# Altium PCB OpenMV4_BASE.pcbdoc
Units mil, origin at the board's own origin, x right, y up, seen from the top; angles counter-clockwise.
Board outline 1400 x 1750 mil, 4 copper layers (Top Layer, GND, Mid-Layer 2, Bottom Layer), stack 30.578 mil thick; 60 components, 99 nets, 307 pads, 178 vias.
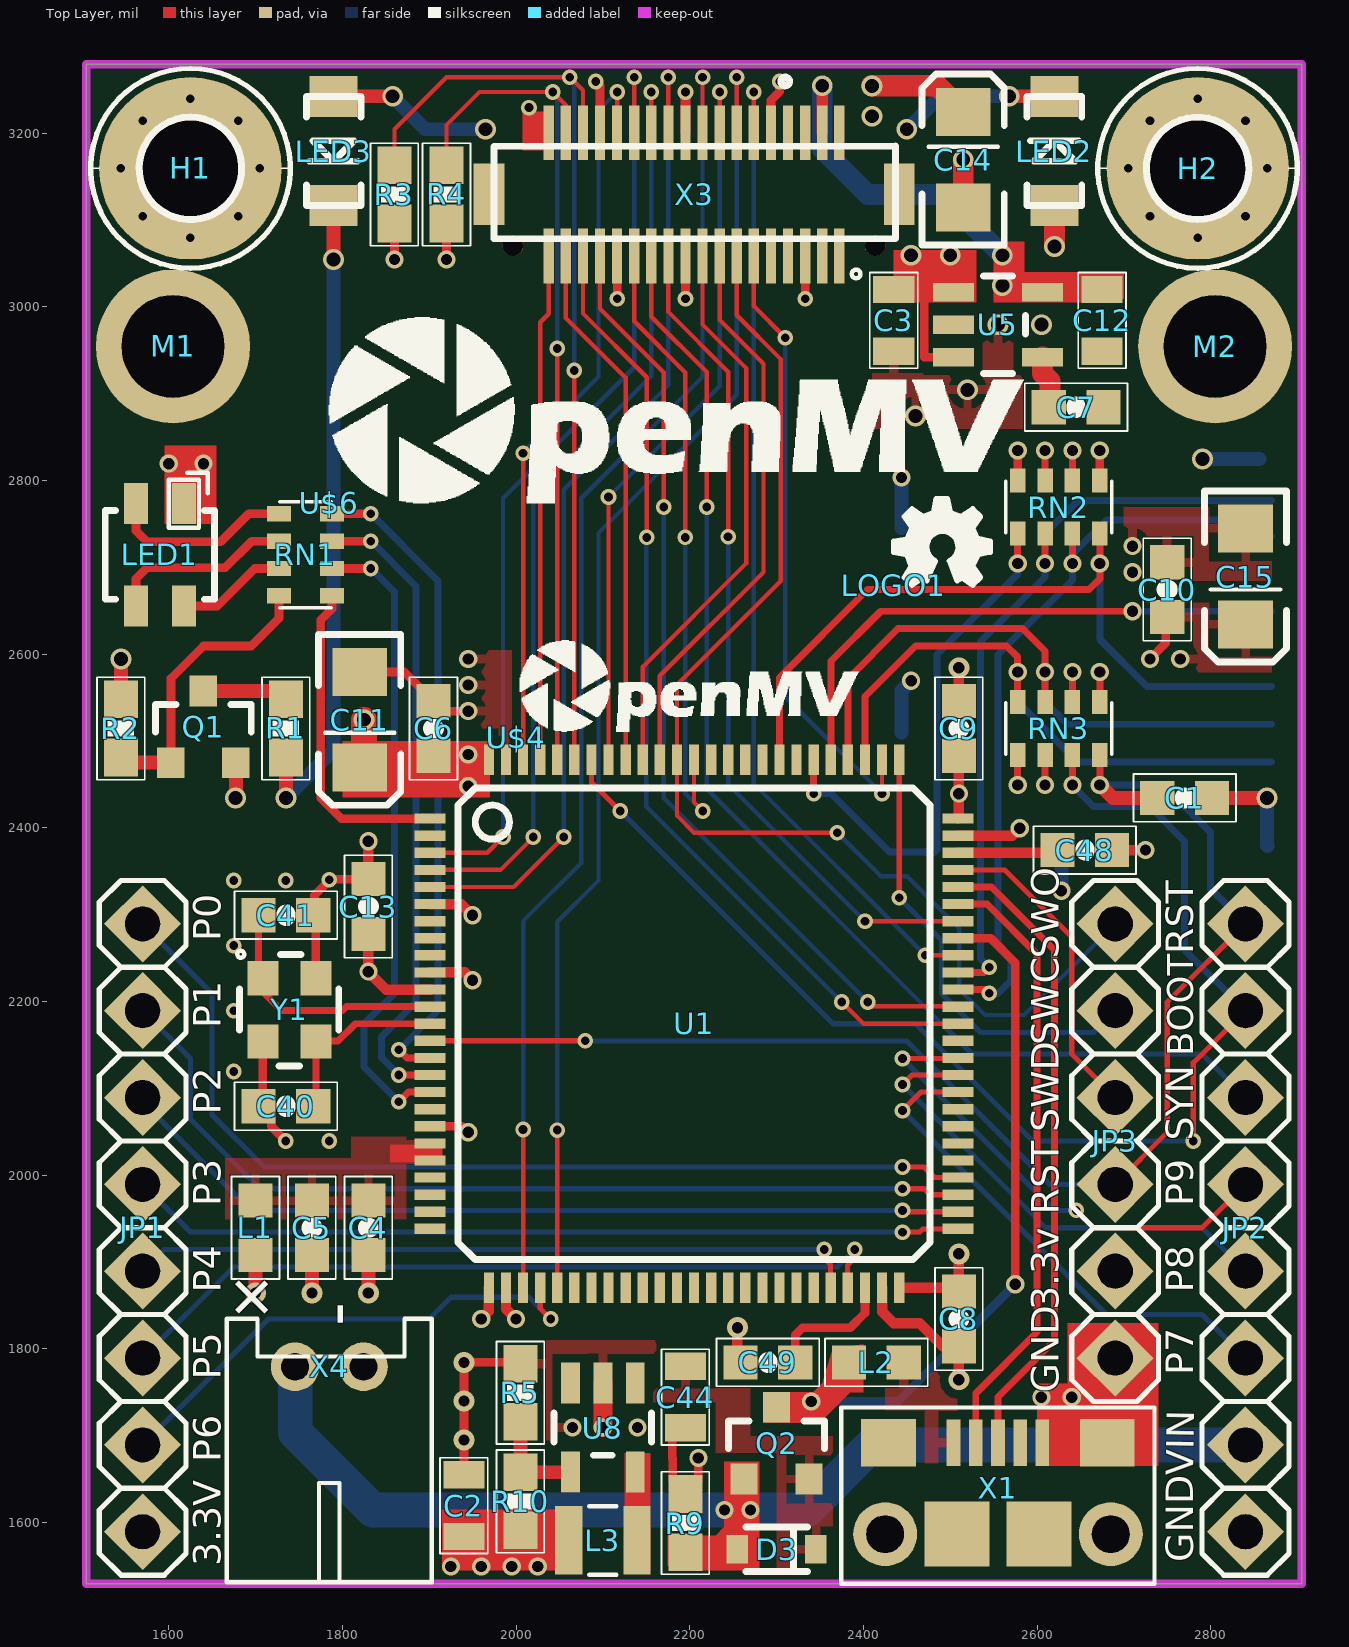
[diagram p0: Top Layer view]
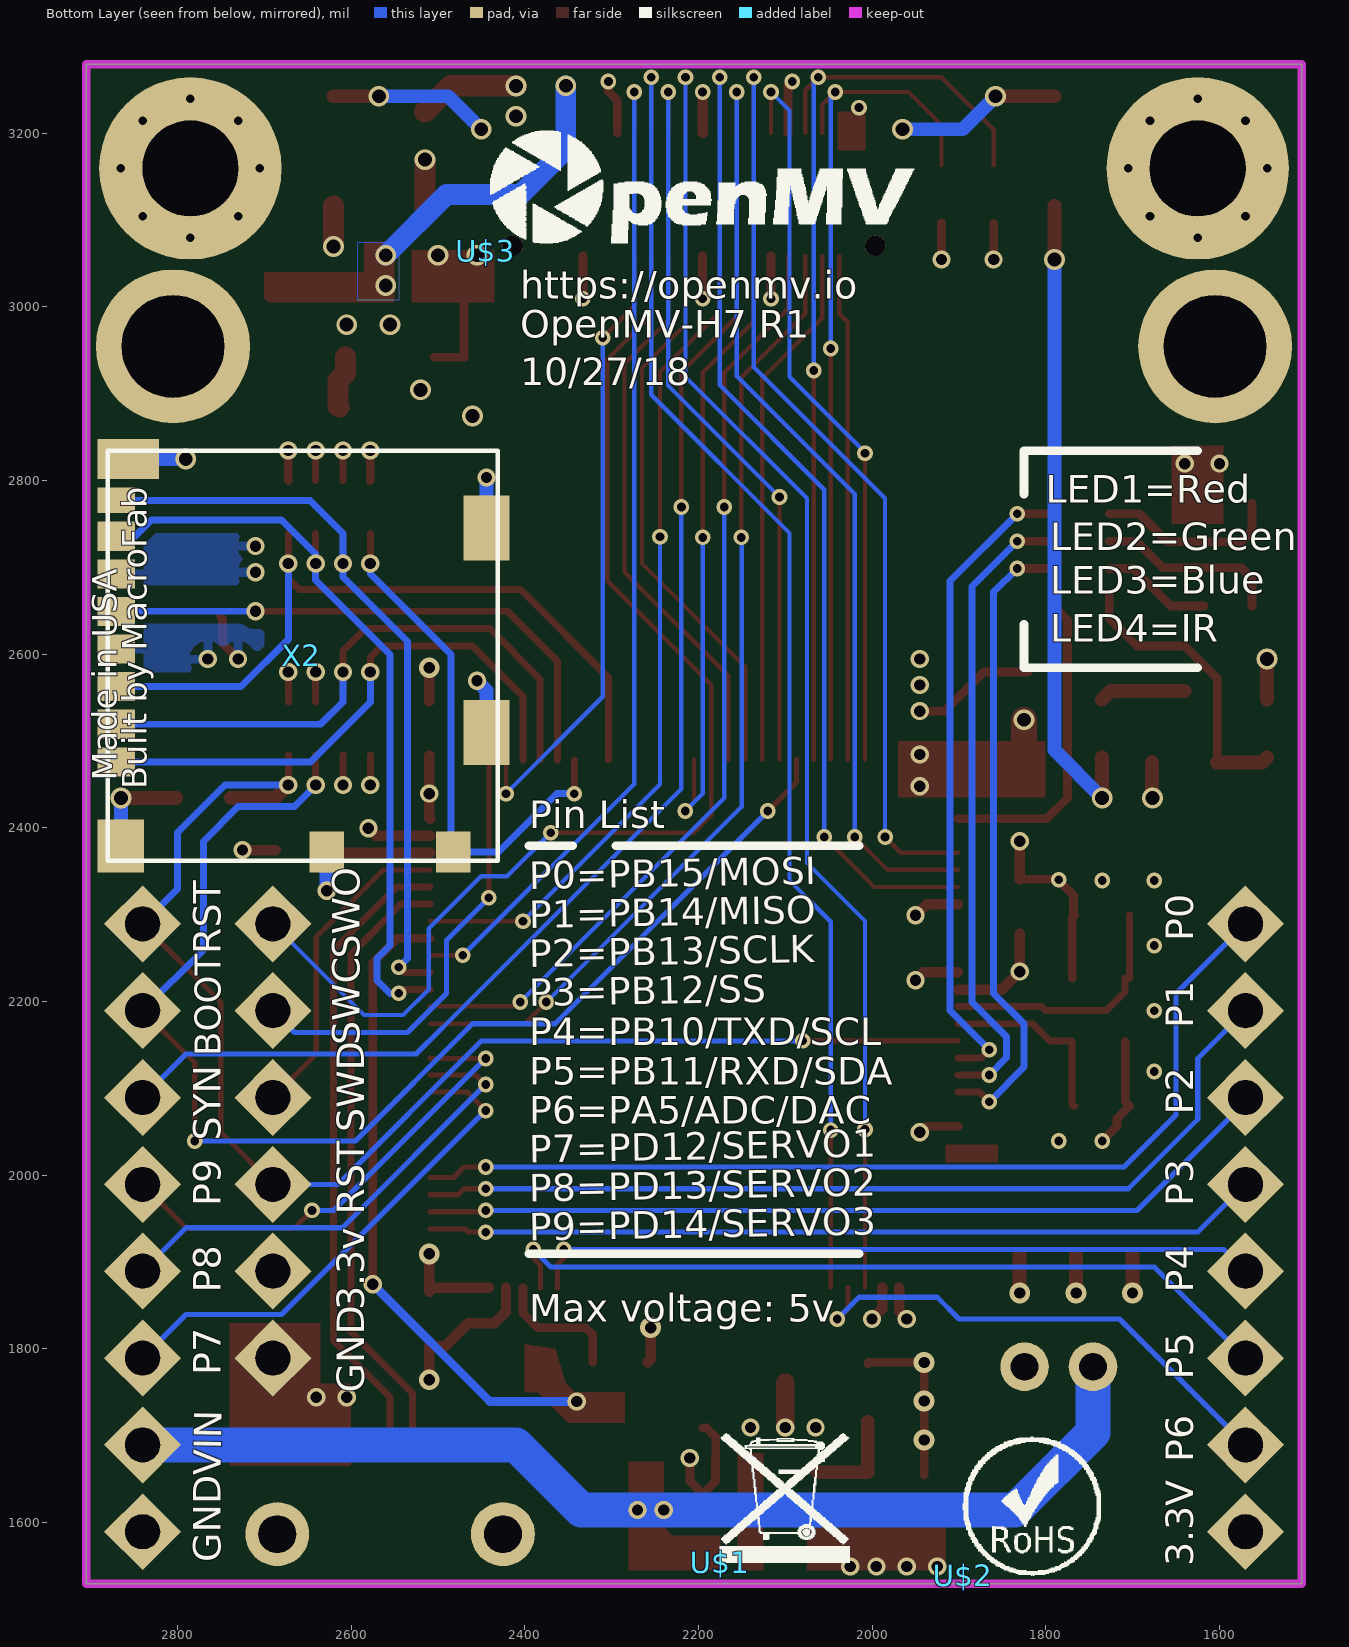
[diagram p1: Bottom Layer view, seen from below]
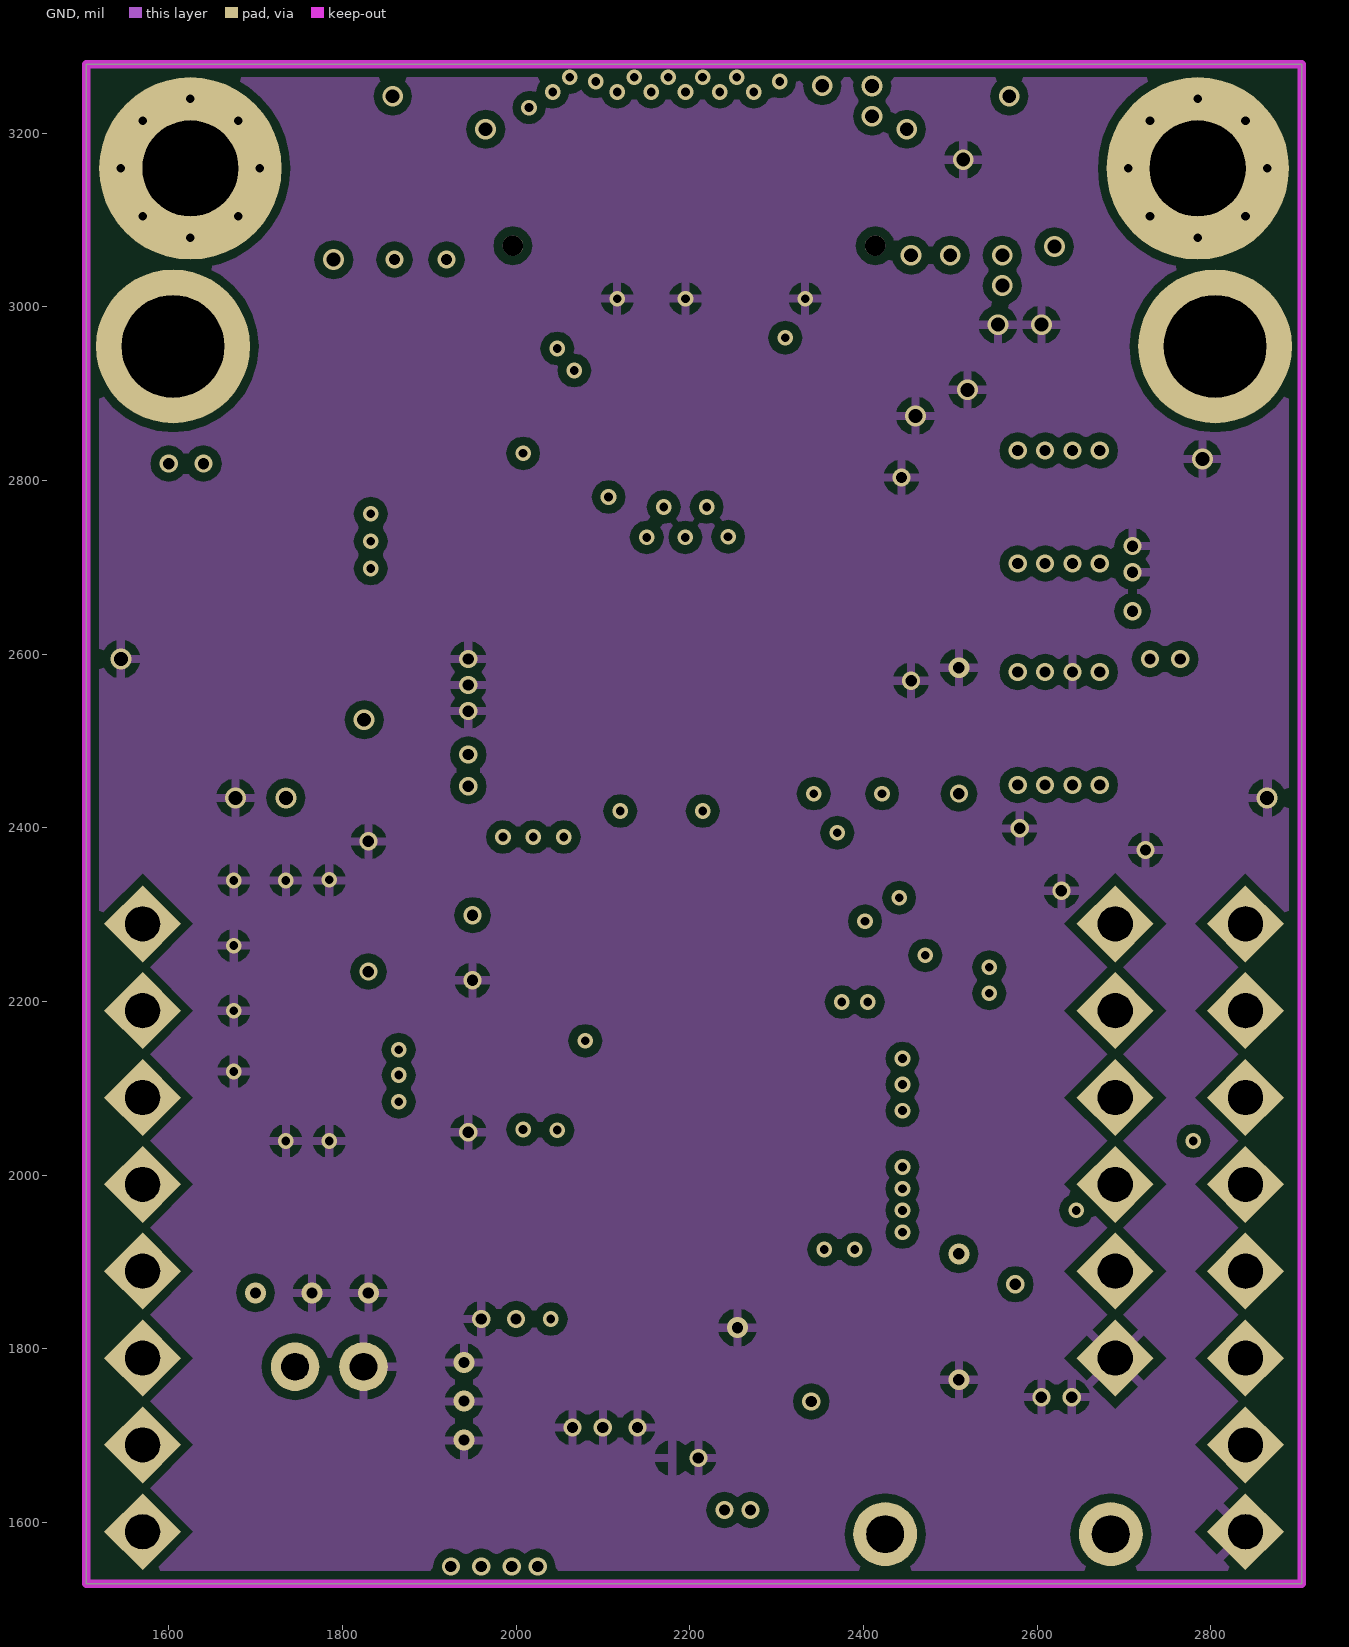
[diagram p2: GND]
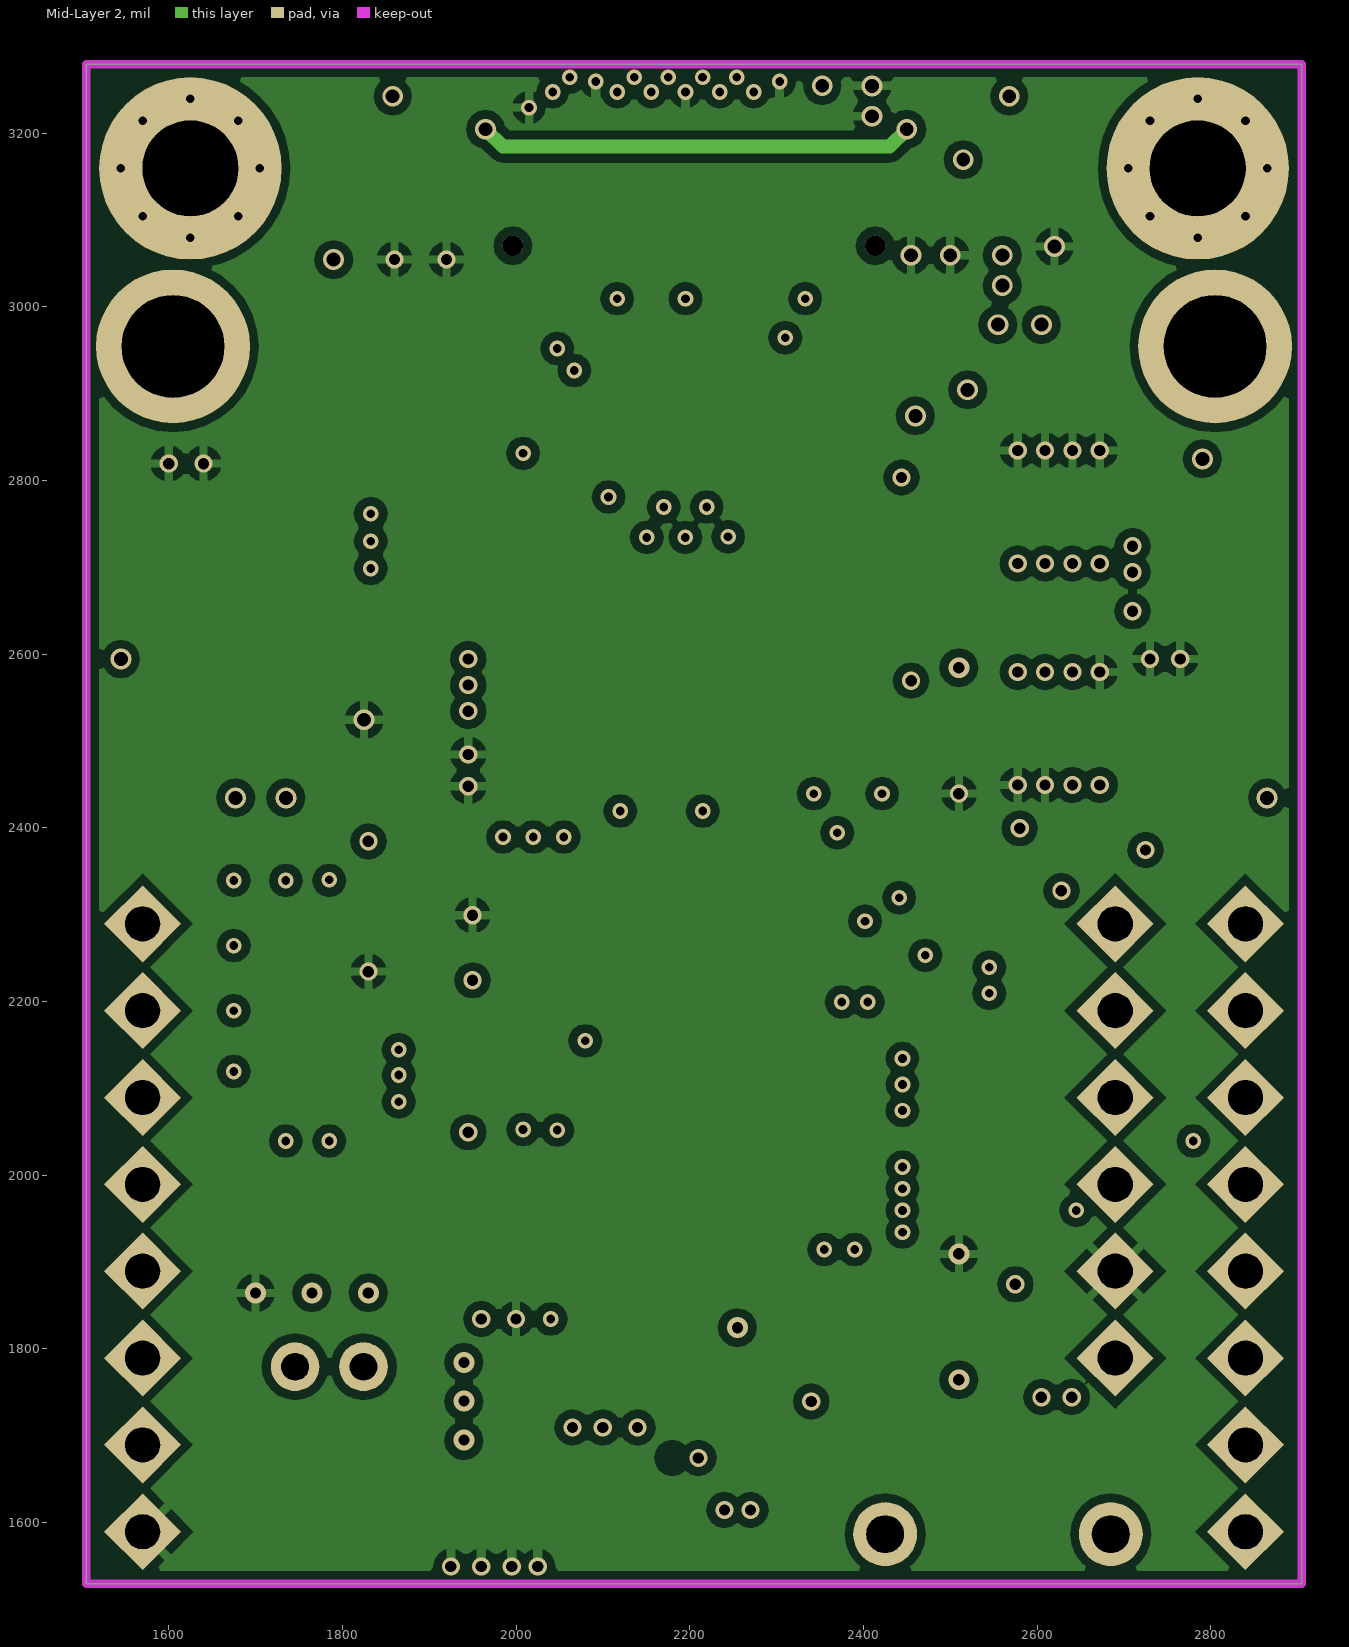
[diagram p3: Mid-Layer 2]

## Layer stack, top to bottom
Top Solder: solder mask 0.4, Solder Resist, Dk 3.5
Top Layer: signal copper 1.4
Dielectric1: core 10, FR-4, Dk 4.2
GND: signal copper 1.3779
Dielectric 3: prepreg 5, FR-4, Dk 4.2
Mid-Layer 2: signal copper 1.4
Dielectric2: core 10, FR-4, Dk 4.2
Bottom Layer: signal copper 1.4
Bottom Solder: solder mask 0.4, Solder Resist, Dk 3.5

## Board outline
1505,1529.38 2905,1529.38 2905,3279.38 1505,3279.38

## Design rules (kind name [scope] priority, off if disabled: settings)
Clearance [All] p1: gap=10 ignorepadtopadclearanceinfootprint=FALSE except(0: Arc-Hole Track-Hole SMDPad-Hole THPad-Hole Via-Hole Fill-Hole Poly-Hole Region-Hole Text-Hole)
PolygonConnect [All] p1: connectstyle=Relief reliefconductorwidth=10 reliefentries=4 polygonreliefangle="90 Angle" airgapwidth=10
RoutingVias [All] p1: holewidth=28 width=50 viastyle="Through Hole" minholewidth=28 minwidth=50 maxholewidth=28 maxwidth=50
SolderMaskExpansion [All] p1: expansion=4
Width [All] p1: maxlimit=30 minlimit=25 preferedwidth=30
30 further rules are at their usual default settings.

## Components (designator, comment, footprint, x,y, rotation, side; value= is the part's Value field where it differs from the comment)
C1 "1uF" 0603-CAP 2770,2434.38 r0 top
C2 "22uF" 0805#1 1940,1619.38 r270 top
C3 "10uF" 0805#2 2435,2984.38 r90 top
C4 "1uF" 0603-CAP 1830,1939.38 r270 top
C5 "0.1uF" 0603-CAP 1765,1939.38 r270 top
C6 "0.1uF" 0603-CAP 1905,2514.38 r90 top
C7 "0.1uF" 0603-CAP 2645,2884.38 r0 top
C8 "0.1uF" 0603-CAP 2510,1834.38 r270 top
C9 "0.1uF" 0603-CAP 2510,2514.38 r90 top
C10 "0.1uF" 0603-CAP 2750,2674.38 r90 top
C11 "47uF" EIA3216 1820,2524.38 r270 top
C12 "10uF" 0805#2 2675,2984.38 r90 top
C13 "0.1uF" 0603-CAP 1830,2309.38 r90 top
C14 "47uF" EIA3216 2515,3169.38 r90 top
C15 "47uF" EIA3216 2840,2689.38 r270 top
C40 "12pF" 0603-CAP 1735,2079.38 r0 top
C41 "12pF" 0603-CAP 1735,2299.38 r180 top
C44 "22uF" 0805#2 2195,1744.38 r90 top
C48 "2.2uF" 0603-CAP 2655,2374.38 r0 top
C49 "2.2uF" 0603-CAP 2290,1784.38 r180 top
D3 "SDM2U20SD3-7" SOD-323 2300,1569.38 r180 top
H1 "MOUNT-PAD-ROUND2.8" 2,8-PAD 1625,3159.38 r90 top
H2 "MOUNT-PAD-ROUND2.8" 2,8-PAD 2785,3159.38 r270 top
JP1 "_" 1X08#1 1570,1939.38 r270 top
JP2 "_" 1X08#2 2840,1939.38 r270 top
JP3 "_" 1X06 2690,2039.38 r270 top
L1 "MPZ1608S181ATAH0" 0603 1700,1939.38 r270 top
L2 "MPZ1608S181ATAH0" 0603 2415,1784.38 r180 top
L3 "4.7uH/1.4A" 1007 2100,1579.38 r270 top
LED1 "LED-TRICOLOR" LED-TRICOLOR-SMD-MF 1590,2714.38 r0 top
LED2 "VSMY12850" LED-1206#1 2620,3179.38 r90 top
LED3 "VSMY12850" LED-1206#2 1790,3179.38 r270 top
LOGO1 "OSHW_LOGO_FILLX0100-NT" OSHW_FILLX100_NOTEXT 2435,2679.38 r0 top
M1 "9774030243R" 9774030151R 1605,2954.38 r0 top
M2 "9774030243R" 9774030151R 2805,2954.38 r0 top
Q1 "BSS138" SOT23-3#1 1640,2514.38 r0 top
Q2 "Si2301BDS" SOT23-3#2 2300,1689.38 r0 top
R1 "10R" 0603-RES 1735,2514.38 r270 top
R2 "10K" 0603-RES 1545,2514.38 r270 top
R3 "4.7K" 0603-RES 1860,3129.38 r90 top
R4 "4.7K" 0603-RES 1920,3129.38 r90 top
R5 "100K" 0603-RES 2005,1749.38 r270 top
R9 "10K" 0603-RES 2195,1599.38 r270 top
R10 "453K" 0603-RES 2005,1624.38 r270 top
RN1 "220R" EXBV8V#1 1757.5,2714.38 r270 top
RN2 "10K" EXBV8V#1 2625,2769.38 r180 top
RN3 "10K" EXBV8V#2 2625,2514.38 r0 top
U1 "STM32H743VIT6" LQFP100 2205,2174.38 r0 top
U5 "TPS731XX" SOT23-5 2555,2979.38 r270 top
U8 "PAM2305AABADJ" TSOT25 2100,1709.38 r180 top
U$1 "_" WEEE 2175,1554.38 r180 bottom
U$2 "_" ROHS 1895,1539.38 r180 bottom
U$3 "_" OMV-LOGO 2445,3064.38 r180 bottom
U$4 "_" OMV-LOGO-SMALL 2000,2504.38 r0 top
U$6 "_" OMV-LOGO-BIG 1785,2774.38 r0 top
X1 "MF-CON-MICROUSB-RIGHT" MICROUSB-RIGHT 2555,1641.88 r0 top
X2 "USD-1040310811" 1040310811 2880,2834.38 r270 bottom
X3 "DF12-36-DS" DF12-36-DS 2205,3129.38 r0 top
X4 "S2B-PH-K-S(LF)(SN)" JST-PH-2-THM-RA 1785,1779.38 r180 top
Y1 "7S-12.000MAHE-T" CRYSTAL-2.5X2.0 1740,2189.38 r270 top

## Footprints (in the part's own frame and the unit in brackets; to place one, negate y for a bottom-side part, rotate by r counter-clockwise, add the part's x,y. Pads: shape width x height; smd on the part's side, far side on the other; paste and mask are expansions set on the pad)
1X06 [mil]
  rect 62.82x62.82 hole 40 slot 40.2 at 90 deg rot 135: 1(-250,0) 3(-50,0) 4(50,0)
  rect 62.82x62.82 hole 40 slot 40.2 at 90 deg rot 45: 2(-150,0) 5(150,0) 6(250,0)
  silkscreen extent -300,-50 300,50
1X08#1 [mil]
  rect 62.82x62.82 hole 40 slot 40.2 at 90 deg rot 135: 1(-350,0) 3(-150,0) 4(-50,0) 6(150,0) 8(350,0)
  rect 62.82x62.82 hole 40 slot 40.2 at 90 deg rot 45: 2(-250,0) 5(50,0) 7(250,0)
  silkscreen extent -400,-50 400,50
1X08#2 [mil]
  rect 62.82x62.82 hole 40 slot 40.2 at 90 deg rot 45: 1(-350,0) 2(-250,0) 4(-50,0) 5(50,0) 6(150,0) 7(250,0) 8(350,0)
  rect 62.82x62.82 hole 40 slot 40.2 at 90 deg rot 135: 3(-150,0)
  silkscreen extent -400,-50 400,50
2,8-PAD [mil]
  round 210 hole 110.24 slot 110.44 at 0 deg: B2,8(0,0)
  silkscreen extent -115,-115 115,115
0603 [mm]
  rect 1x1 smd: 1(-0.8,0) 2(0.8,0)
  silkscreen extent -1.5,-0.7 1.5,0.7
0603-CAP [mm]
  rect 1x1 smd: 1(-0.8,0) 2(0.8,0)
  silkscreen extent -1.5,-0.7 1.5,0.7
0603-RES [mm]
  rect 1.1x1 smd: 1(-0.85,0) 2(0.85,0)
  silkscreen extent -1.5,-0.7 1.5,0.7
0805#1 [mil]
  rect 31.5x47.24 smd: 1(-35.43,0)
  rect 31.49x47.24 smd: 2(35.43,0)
  silkscreen extent -55,-28 55,28
0805#2 [mil]
  rect 31.49x47.24 smd: 1(-35.44,0)
  rect 31.5x47.24 smd: 2(35.43,0)
  silkscreen extent -55,-28 55,28
1007 [mm]
  rect 2x0.8 smd: 1(0,1) 2(0,-1)
  silkscreen extent -1,-0.4 1,0.4
1040310811 [mm]
  rect 1.2x1 smd: CD$1(11.74,10.1) CD$2(11.74,6.4)
  rect 1.55x1.35 smd: G$1(11.565,0.375)
  rect 1.17x1.8 smd: G$2(0.245,0.6)
  rect 1.9x1.35 smd: G$3(2.27,11.075) G$4(8.24,11.075)
  rect 0.85x1.1 smd: P$1(9.105,0.25) P$2(8.005,0.25) P$3(6.905,0.25) P$4(5.805,0.25) P$5(4.705,0.25) P$6(3.605,0.25) P$7(2.505,0.25)
  rect 0.75x1.1 smd: P$8(1.455,0.25)
  silkscreen extent 0,0 12,11.4
9774030151R [mil]
  round 177.16 hole 118.1 slot 118.11 at 0 deg: P$1(0,0)
CRYSTAL-2.5X2.0 [mm]
  rect 1x0.9 smd: 1(-0.95,-0.8) 2(0.9,-0.8) 3(0.9,0.75) 4(-0.95,0.75)
  silkscreen extent -1.75,-1.55 1.61,1.42
DF12-36-DS [mm]
  rect 0.3x1.6 smd: 1(4.25,-1.8) 2(4.25,1.8) 3(3.75,-1.8) 4(3.75,1.8) 5(3.25,-1.8) 6(3.25,1.8) 7(2.75,-1.8) 8(2.75,1.8) 9(2.25,-1.8) 10(2.25,1.8) 11(1.75,-1.8) 12(1.75,1.8) 13(1.25,-1.8) 14(1.25,1.8) 15(0.75,-1.8) 16(0.75,1.8) 17(0.25,-1.8) 18(0.25,1.8) 19(-0.25,-1.8) 20(-0.25,1.8) 21(-0.75,-1.8) 22(-0.75,1.8) 23(-1.25,-1.8) 24(-1.25,1.8) 25(-1.75,-1.8) 26(-1.75,1.8) 27(-2.25,-1.8) 28(-2.25,1.8) 29(-2.75,-1.8) 30(-2.75,1.8) 31(-3.25,-1.8) 32(-3.25,1.8) 33(-3.75,-1.8) 34(-3.75,1.8) 35(-4.25,-1.8) 36(-4.25,1.8)
  rect 0.9x1.8 smd: F1(6,0) F2(-6,0)
  round 0.6 hole 0.6 unplated: ""(-5.3,-1.5) ""(5.3,-1.5)
  silkscreen extent -5.85,-2.45 5.89,1.41
EIA3216 [mil]
  rect 55.12x62.99 smd: A(55.12,0) C(-55.12,0)
  silkscreen extent -98,-47 98,47
EXBV8V#1 [mil]
  rect 17.72x27.56 smd: 1(-47.24,-30.51) 3(15.75,-30.51) 6(15.75,30.51) 8(-47.24,30.51)
  rect 17.71x27.56 smd: 2(-15.75,-30.51) 4(47.25,-30.51) 5(47.25,30.51) 7(-15.75,30.51)
  silkscreen extent -61,-30 61,30
EXBV8V#2 [mil]
  rect 17.71x27.56 smd: 1(-47.25,-30.51) 3(15.75,-30.51) 6(15.75,30.51) 8(-47.25,30.51)
  rect 17.72x27.56 smd: 2(-15.75,-30.51) 4(47.24,-30.51) 5(47.24,30.51) 7(-15.75,30.51)
  silkscreen extent -61,-30 61,30
JST-PH-2-THM-RA [mil]
  round 56 hole 31.5 slot 31.7 at 0 deg: 1(39.37,0) 2(-39.37,0)
  silkscreen extent -118,-55 118,248
LED-1206#1 [mil]
  rect 47.25x55.12 smd: A(-63,0)
  rect 47.24x55.12 smd: C(62.99,0)
  silkscreen extent -63,-31 63,32
LED-1206#2 [mil]
  rect 47.24x55.12 smd: A(-62.99,0)
  rect 47.25x55.12 smd: C(63,0)
  silkscreen extent -63,-32 63,32
LED-TRICOLOR-SMD-MF [mil]
  rect 27.56x47.24 smd: A(27.56,59.05) B(27.56,-59.06) G(-27.56,-59.06) R(-27.56,59.05)
  silkscreen extent -63,-51 63,94
LQFP100 [mm]
  rect 0.9x0.3 smd: 1(-7.72,6) 2(-7.72,5.5) 3(-7.72,5) 4(-7.72,4.5) 5(-7.72,4) 6(-7.72,3.5) 7(-7.72,3) 8(-7.72,2.5) 9(-7.72,2) 10(-7.72,1.5) 11(-7.72,1) 12(-7.72,0.5) 13(-7.72,0) 14(-7.72,-0.5) 15(-7.72,-1) 16(-7.72,-1.5) 17(-7.72,-2) 18(-7.72,-2.5) 19(-7.72,-3) 20(-7.72,-3.5) 21(-7.72,-4) 22(-7.72,-4.5) 23(-7.72,-5) 24(-7.72,-5.5) 25(-7.72,-6) 51(7.72,-6) 52(7.72,-5.5) 53(7.72,-5) 54(7.72,-4.5) 55(7.72,-4) 56(7.72,-3.5) 57(7.72,-3) 58(7.72,-2.5) 59(7.72,-2) 60(7.72,-1.5) 61(7.72,-1) 62(7.72,-0.5) 63(7.72,0) 64(7.72,0.5) 65(7.72,1) 66(7.72,1.5) 67(7.72,2) 68(7.72,2.5) 69(7.72,3) 70(7.72,3.5) 71(7.72,4) 72(7.72,4.5) 73(7.72,5) 74(7.72,5.5) 75(7.72,6)